# KiCad board jetson-nano-baseboard.kicad_pcb (continued)
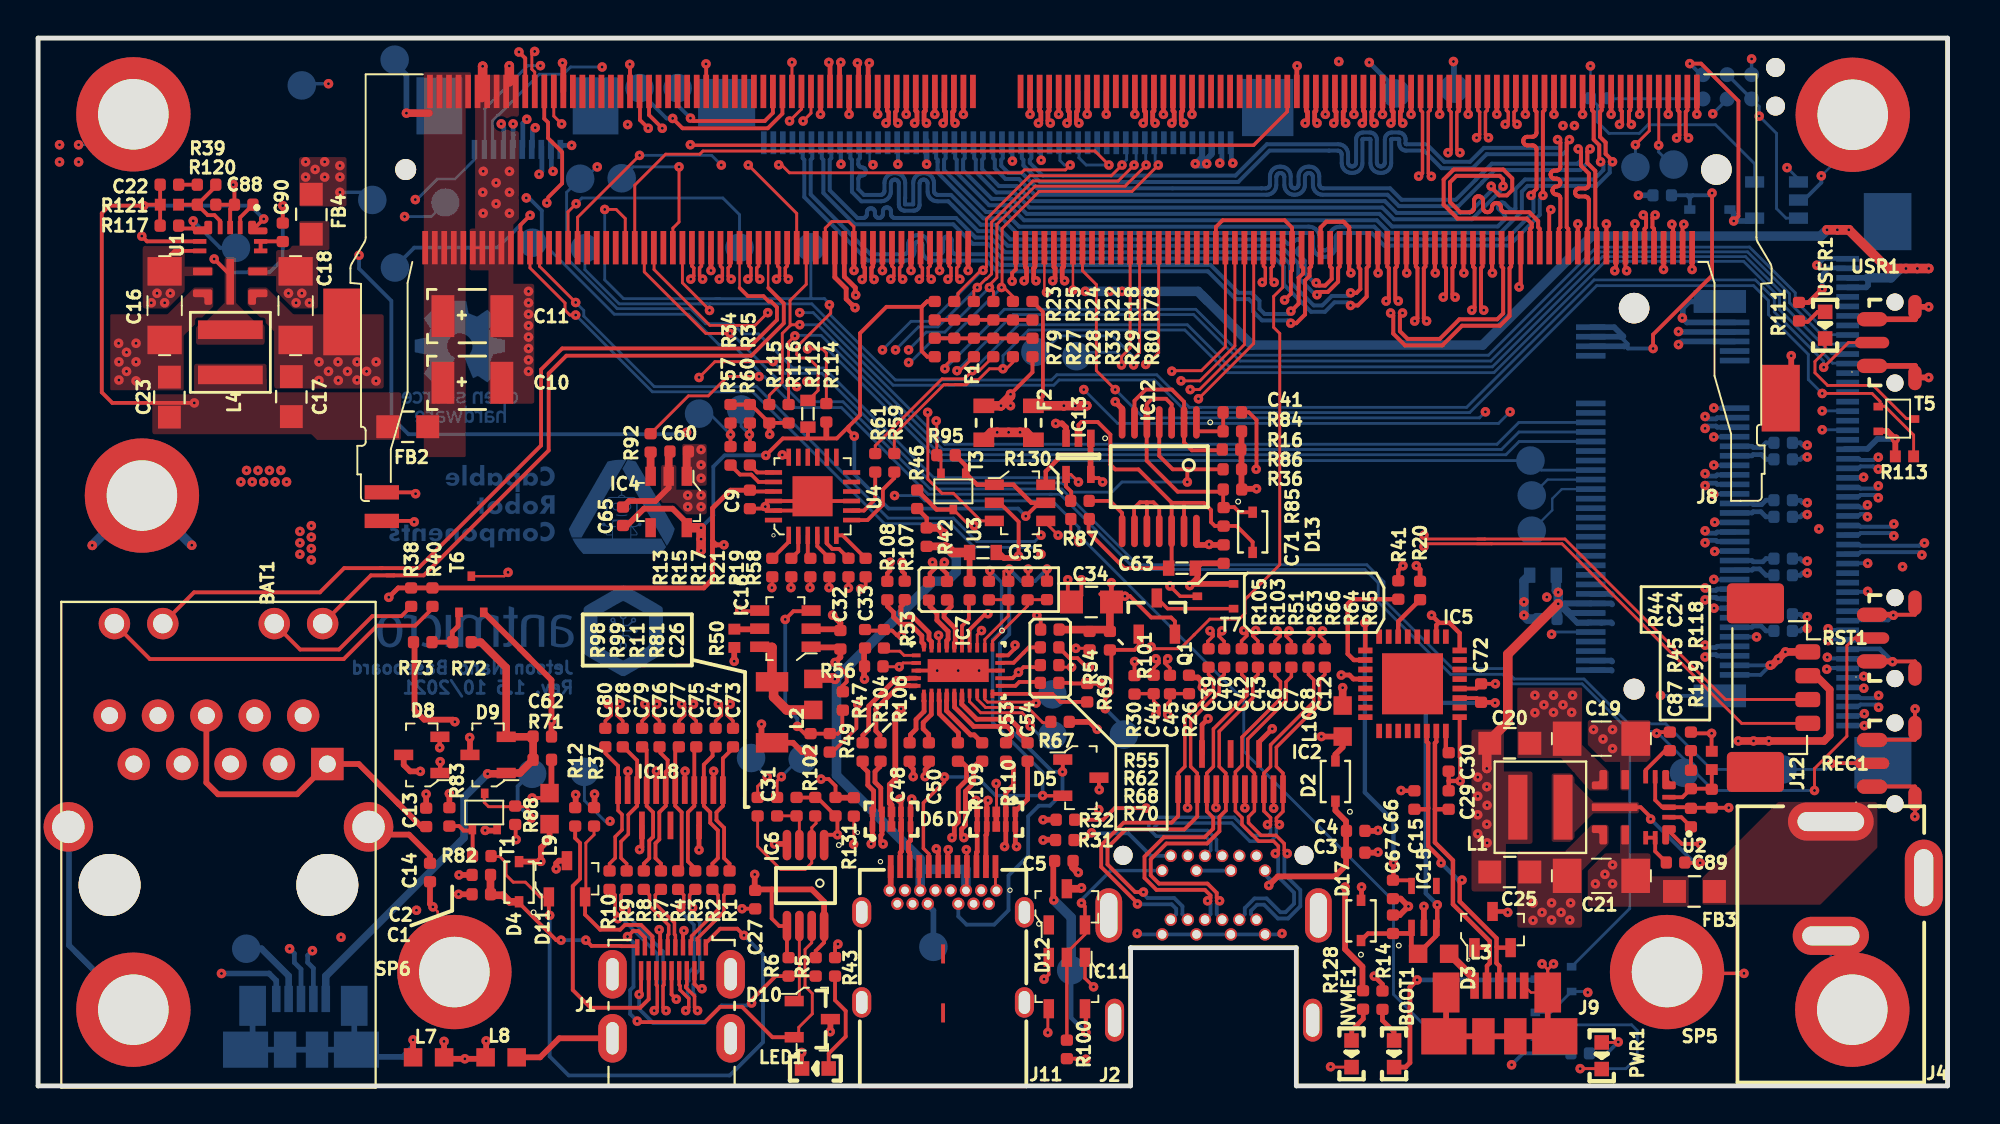
[diagram p0: board, top side]
## Routing (per net, layer and track width the routed paths; a pad name or vN(x,y) marks a point on that pad's centre or on a via; arc(x,y) is an arc through that point) (continued)
ENET_TRD2_N: length 56.1
  Top w0.18: M1.196 36.32,43.03 36.22,42.94 36.22,42.51 v1(36.38,42.35)
  In5_3V3_SYS_SIGNAL.Cu w0.125: v1(36.38,42.35) 36.21,42.18 36.21,40.22 35.78,39.79 30.93,39.79 27.27,36.13 27.27,28.42 27.26,28.35 27.24,28.29 27.21,28.23 27.16,28.19 27.11,28.15 27.04,28.13 26.98,28.12 26.82,28.12 26.8,28.12 26.79,28.11 26.79,28.1 26.79,28.09 26.79,27.9 26.79,27.89 26.8,27.88 26.81,27.87 26.82,27.87 26.98,27.87 27.04,27.87 27.11,27.84 27.16,27.81 27.21,27.76 27.24,27.71 27.26,27.64 27.27,27.58 27.27,26.68 27.28,26.64 27.29,26.61 27.3,26.58 27.33,26.56 27.36,26.54 27.39,26.53 27.42,26.53 27.57,26.53 27.6,26.52 27.63,26.51 27.66,26.49 27.68,26.47 27.7,26.44 27.71,26.41 27.72,26.38 27.71,26.34 27.7,26.31 27.68,26.28 27.66,26.26 27.63,26.24 27.6,26.23 27.57,26.23 27.42,26.23 27.39,26.22 27.36,26.21 27.33,26.19 27.3,26.17 27.29,26.14 27.28,26.11 27.27,26.08 27.28,26.04 27.29,26.01 27.3,25.98 27.33,25.96 27.36,25.94 27.39,25.93 27.42,25.93 27.57,25.93 27.6,25.92 27.63,25.91 27.66,25.89 27.68,25.87 27.7,25.84 27.71,25.81 27.72,25.78 27.71,25.74 27.7,25.71 27.68,25.68 27.66,25.66 27.63,25.64 27.6,25.63 27.57,25.63 27.42,25.63 27.39,25.62 27.36,25.61 27.33,25.59 27.3,25.57 27.29,25.54 27.28,25.51 27.27,25.48 27.27,24.26 24.31,21.31 8.04,21.31 7.98,21.3 7.91,21.28 7.85,21.24 7.81,21.19 7.77,21.14 7.75,21.07 7.74,21.01 7.74,20.61 7.73,20.54 7.71,20.48 7.68,20.42 7.63,20.37 7.57,20.34 7.51,20.31 7.44,20.31 7.38,20.31 7.31,20.34 7.25,20.37 7.21,20.42 7.17,20.48 7.15,20.54 7.14,20.61 7.14,21.01 7.13,21.07 7.11,21.14 7.08,21.19 7.03,21.24 6.97,21.28 6.91,21.3 6.84,21.31 5.62,21.31 5.17,20.85 5.17,19.64 5.38,19.44 J3.8 ; 6.55,19.26 6.33,19.03
ENET_TRD2_P: length 55.8
  Top w0.18: M1.198 35.82,43.03 35.92,42.94 35.92,42.51 v1(35.76,42.35)
  In5_3V3_SYS_SIGNAL.Cu w0.125: v1(35.76,42.35) 35.93,42.18 35.93,40.34 35.66,40.08 30.82,40.08 26.99,36.25 26.99,28.44 26.98,28.42 26.98,28.41 26.97,28.41 26.96,28.41 26.8,28.41 26.73,28.4 26.67,28.38 26.61,28.34 26.57,28.3 26.53,28.24 26.51,28.18 26.5,28.11 26.5,27.88 26.51,27.82 26.53,27.75 26.57,27.7 26.61,27.65 26.67,27.62 26.73,27.6 26.8,27.59 26.96,27.59 26.97,27.58 26.98,27.58 26.99,27.57 26.99,27.56 26.99,24.38 24.2,21.59 5.55,21.59 4.92,20.96 4.92,19.54 5.25,19.2 5.25,18.94 5.79,18.4 5.8,18.4 7.3,16.9 J3.7
ENET_TRD3_N: length 56.2
  Top w0.18: v1(34.88,42.35) 34.72,42.51 34.72,42.94 34.82,43.03 M1.202
  In5_3V3_SYS_SIGNAL.Cu w0.125: 3.78,19.03 3.78,19.33 ; v1(34.88,42.35) 34.71,42.18 34.71,41.1 34.45,40.84 30.29,40.84 25.71,36.26 25.71,24.48 25.12,23.89 25.1,23.86 25.08,23.83 25.07,23.79 25.07,23.75 25.08,23.71 25.1,23.68 25.12,23.65 25.13,23.64 25.16,23.61 25.17,23.57 25.18,23.53 25.18,23.49 25.17,23.46 25.16,23.42 25.13,23.39 25.1,23.37 25.07,23.35 25.03,23.34 24.99,23.34 24.95,23.35 24.92,23.37 24.89,23.39 24.88,23.4 24.85,23.42 24.81,23.44 24.77,23.45 24.73,23.45 24.7,23.44 24.66,23.42 24.63,23.4 24.6,23.37 24.59,23.33 24.58,23.29 24.58,23.25 24.59,23.22 24.6,23.18 24.63,23.15 24.64,23.14 24.66,23.11 24.68,23.08 24.69,23.04 24.69,23 24.68,22.96 24.66,22.93 24.64,22.89 24.61,22.87 24.57,22.85 24.53,22.84 24.49,22.84 24.46,22.85 24.42,22.87 24.39,22.89 24.38,22.9 24.35,22.93 24.32,22.94 24.28,22.95 24.24,22.95 24.2,22.94 24.16,22.93 24.13,22.9 24.11,22.87 24.09,22.84 24.08,22.8 24.08,22.76 24.09,22.72 24.11,22.69 24.13,22.66 24.14,22.65 24.17,22.62 24.18,22.58 24.19,22.54 24.19,22.5 24.18,22.47 24.17,22.43 24.14,22.4 24.11,22.38 24.08,22.36 24.04,22.35 24,22.35 23.96,22.36 23.93,22.38 23.9,22.4 23.89,22.41 23.86,22.43 23.82,22.45 23.78,22.46 23.74,22.46 23.71,22.45 23.67,22.43 23.64,22.41 23.41,22.18 4.7,22.18 4.63,22.18 4.57,22.15 4.51,22.12 4.46,22.07 4.43,22.01 4.4,21.95 4.4,21.88 4.4,21.48 4.39,21.42 4.37,21.35 4.33,21.3 4.28,21.25 4.23,21.21 4.16,21.19 4.1,21.18 4.03,21.19 3.97,21.21 3.91,21.25 3.86,21.3 3.83,21.35 3.8,21.42 3.8,21.48 3.8,21.88 3.79,21.95 3.77,22.01 3.73,22.07 3.68,22.12 3.63,22.15 3.56,22.18 3.5,22.18 2.67,21.35 2.67,19.6 2.84,19.44 J3.10
ENET_TRD3_P: length 56.5
  Top w0.18: M1.204 34.32,43.03 34.42,42.94 34.42,42.51 v1(34.26,42.35)
  In5_3V3_SYS_SIGNAL.Cu w0.125: v1(34.26,42.35) 34.43,42.18 34.43,41.22 34.33,41.13 30.17,41.13 25.42,36.37 25.42,24.59 23.3,22.47 3.43,22.47 2.42,21.46 2.42,19.5 2.71,19.2 2.71,18.94 3.25,18.4 3.25,18.39 4.75,16.9 J3.9 ; J3.9 4.55,16.9 ; J3.9 4.8,16.9
FAN_PWM: length 51.1
  Top w0.15: v1(28.24,46.31) 27.82,45.88 M1.230 ; U3.3 49.49,29.66 48.04,31.11 47.44,31.11 46.7,31.85 46.7,35.35 v1(46.69,35.36)
  In2_SINGAL.Cu w0.15: v1(28.24,46.31) 28.24,42.61 30.94,39.91 30.94,38.71 36.04,33.61 39.14,33.61 40.35,34.82 v1(40.35,36.98)
  In5_3V3_SYS_SIGNAL.Cu w0.15: v1(40.35,36.98) 45.07,36.98 v1(46.69,35.36)
  Bottom w0.15: v1(28.24,46.31) 28.54,46.61 35.94,46.61 36.82,45.73 TP13.1
FAN_TACH: length 34.1
  Top w0.15: v1(47.14,34.91) 47.17,34.88 R95.2 47.39,32.89 T3.2 ; v1(33.64,48.24) 33.64,45.35 33.32,45.03 M1.208
  In2_SINGAL.Cu w0.15: v1(39.82,36.71) 39.14,36.71 37.94,37.91 37.24,37.91 33.64,41.51 v1(33.64,48.24)
  In5_3V3_SYS_SIGNAL.Cu w0.15: v1(39.82,36.71) 40.07,36.46 44.96,36.46 46.51,34.91 v1(47.14,34.91)
  Bottom w0.15: 31.26,47.64 TP14.1 31.23,48.24 v1(33.64,48.24)
GEN0_SCL: length 75.1
  Top w0.2: 39.07,52.2 39.07,51.03 38.3,50.27 33.82,50.27 v1(33.31,50.78)
  In2_SINGAL.Cu w0.15: v1(80.64,50.41) 80.64,51.2 81.15,51.71 87.22,51.71 v1(87.9,51.03) 90.73,48.2 v1(91.8,48.2)
  In3_SIGNAL.Cu w0.15: v1(33.31,50.78) 34.93,52.41 80.04,52.41 80.64,51.81 v1(80.64,50.41)
  Bottom w0.15: v1(91.8,48.2) 92.4,47.6 IC17.1
  Bottom w0.18: TP30.4 88.66,51.78 v1(87.9,51.03)
  Bottom w0.2: v1(33.31,50.78) 32.99,50.78 31.57,52.2
GEN0_SDA: length 76.9
  Top w0.2: v1(34.24,50.8) 34.39,50.65 38.14,50.65 38.57,51.07 38.57,52.2
  In2_SINGAL.Cu w0.15: v1(90.34,50.91) 89.04,52.21 81.09,52.21 80.04,51.15 v1(80.04,50.41)
  In3_SIGNAL.Cu w0.15: v1(34.24,50.8) 34.24,51.21 35.14,52.11 79.64,52.11 79.99,51.76 79.99,50.46 v1(80.04,50.41)
  Bottom w0.15: IC17.3 91.75,45.55 91.25,46.05 91.25,50 v1(90.34,50.91) 90.34,51.41 TP30.6
  Bottom w0.18: TP30.6 88.67,53.08 TP30.3
  Bottom w0.2: 33.57,52.2 33.57,51.47 v1(34.24,50.8)
HDMI_PWR: length 30.2
  Top w0.2: 41.26,8.39 41.26,7.53 40.81,7.09 40.81,6.73 ; 39.39,6.73 39.31,6.81 IC6.5 38.9,8.39 38.5,8.79 38.5,10.31
  Top w0.25: IC18.13 31.69,12.53 v1(31.57,12.41) ; v1(34.69,12.39) 34.69,13.67 IC18.15
  Top w0.3: 41.26,8.39 41.26,9.67 40.61,10.31 37.69,10.31 37.64,10.26 37.61,10.28 v1(37.61,11.1) ; D4.A 26.38,11.77 v1(26.39,11.79) 26.39,12.5 26.84,12.95 L9.2 ; 26.9,13.56 27.07,13.74
  In2_SINGAL.Cu w0.3: v1(37.61,11.1) 36.34,12.37 26.97,12.37 v1(26.39,11.79)
HDMI_SHIELD: length 10.1
  Top w0.2: J1.7 33.85,8.1 v1(33.9,8.15) ; J1.13 32.65,8.15 v1(32.6,8.2) ; v1(33.5,4.55) 33.25,4.8 J1.10 ; v1(34.85,5.1) 34.7,5.1 34.45,5.35 J1.4
  Top w0.3: J1.SH 27.35,2.5 26.35,1.5 L8.2
M2_ALERT: length 59.4
  Top w0.15: R114.1 41.37,38.47 41.16,38.68 v1(40.38,38.68) ; M1.212 32.33,43.99 32.33,42.85 35.26,39.92 37.6,39.92 37.62,39.91 v1(38.3,40.59)
  In2_SINGAL.Cu w0.15: v1(40.38,38.68) 39.55,38.68 38.3,39.93 v1(38.3,40.59)
  Bottom w0.15: J8.44 78.9,32.32 78.4,32.82 47.28,32.82 41.42,38.68 v1(40.38,38.68)
OTG_USB_D_N: length 88.8
  Top w0.23: v1(21.1,17.02) 21.1,16.44 D8.1
  Top w0.25: v1(60.13,50.54) 60.01,50.66 60.01,51.12 60.07,51.19 60.07,52.2
  In3_SIGNAL.Cu w0.16: 20.96,17.02 21.18,17.24 26.28,17.24 27.77,18.73 27.77,27.76 29.88,29.87 29.88,43.83 33.57,47.53 59.35,47.53 59.96,48.14 59.96,50.37 v1(60.13,50.54) ; v1(14.4,7.1) 13.89,7.61 13.89,8.06 12.98,8.97 12.98,11.95 18.29,17.26 20.87,17.26 v1(21.1,17.02)
  Bottom w0.25: J5.2 14.45,6.18 14.15,6.48 14.15,6.85 v1(14.4,7.1)
OTG_USB_D_P: length 88.7
  Top w0.23: D8.2 21.08,18.31 v1(21.08,17.75)
  Top w0.25: v1(59.51,50.54) 59.63,50.66 59.63,51.12 59.57,51.19 59.57,52.2
  In3_SIGNAL.Cu w0.16: 21,17.83 v1(21.08,17.75) ; v1(21.08,17.75) 21.31,17.53 26.16,17.53 27.48,18.85 27.48,27.88 29.59,29.99 29.59,43.95 33.45,47.81 59.23,47.81 59.68,48.26 59.68,50.37 v1(59.51,50.54) ; v1(21.08,17.75) 20.87,17.54 18.18,17.54 12.7,12.07 12.7,8.85 13.61,7.94 13.61,7.61 v1(13.2,7.2)
  Bottom w0.25: v1(13.2,7.2) 13.45,6.95 13.45,6.48 13.8,6.13 J5.3
OTG_USB_VBUS: length 62.3
  Top w0.125: v1(24.67,26.96) 24.47,26.76 T6.3
  Top w0.18: v1(34.24,49.4) 34.26,49.38 63.8,49.38 65.57,51.14 65.57,52.2
  In3_SIGNAL.Cu w0.18: 24.64,26.85 25.7,26.85 29,30.15 29,44.24 34.16,49.4 v1(34.24,49.4)
PCIE0_CLK_N: length 66
  Top w0.18: v1(45.38,42.34) 45.22,42.5 45.22,42.94 45.32,43.03 M1.160
  In3_SIGNAL.Cu w0.185: v1(87.5,34.51) 87.34,34.67 86.95,34.67 86.91,34.67 86.87,34.65 86.83,34.63 86.8,34.6 86.78,34.57 86.77,34.53 86.76,34.48 86.76,34.44 86.76,34.4 86.74,34.36 86.72,34.32 86.69,34.29 86.66,34.27 86.62,34.26 86.58,34.25 86.54,34.26 86.5,34.27 86.46,34.29 86.43,34.32 86.41,34.36 86.4,34.4 86.39,34.44 86.39,34.48 86.39,34.53 86.37,34.57 86.35,34.6 86.32,34.63 86.29,34.65 86.25,34.67 86.21,34.67 85.34,34.67 81.23,38.77 79.55,38.77 79.45,38.78 79.37,38.81 79.29,38.86 79.23,38.93 79.18,39 79.15,39.09 79.14,39.18 79.14,39.36 79.13,39.39 79.13,39.41 79.11,39.44 79.09,39.45 79.07,39.47 79.05,39.48 79.02,39.48 78.89,39.48 78.86,39.48 78.83,39.47 78.81,39.45 78.79,39.44 78.78,39.41 78.77,39.39 78.77,39.36 78.77,38.47 78.76,38.38 78.73,38.29 78.68,38.22 78.61,38.15 78.54,38.1 78.45,38.07 78.36,38.06 78.17,38.06 78.08,38.07 78,38.1 77.92,38.15 77.86,38.22 77.81,38.29 77.78,38.38 77.77,38.47 77.77,39.36 77.76,39.39 77.76,39.41 77.74,39.44 77.72,39.45 77.7,39.47 77.68,39.48 77.65,39.48 77.51,39.48 77.49,39.48 77.46,39.47 77.44,39.45 77.42,39.44 77.41,39.41 77.4,39.39 77.4,39.36 77.4,38.47 77.39,38.38 77.36,38.29 77.31,38.22 77.24,38.15 77.17,38.1 77.08,38.07 76.99,38.06 76.8,38.06 76.71,38.07 76.63,38.1 76.55,38.15 76.48,38.22 76.44,38.29 76.41,38.38 76.4,38.47 76.4,39.36 76.39,39.39 76.38,39.41 76.37,39.44 76.35,39.45 76.33,39.47 76.3,39.48 76.28,39.48 76.14,39.48 76.12,39.48 76.09,39.47 76.07,39.45 76.05,39.44 76.04,39.41 76.03,39.39 76.03,39.36 76.03,38.47 76.02,38.38 75.99,38.29 75.94,38.22 75.87,38.15 75.79,38.1 75.71,38.07 75.62,38.06 75.43,38.06 75.34,38.07 75.26,38.1 75.18,38.15 75.11,38.22 75.06,38.29 75.03,38.38 75.02,38.47 75.02,39.36 75.02,39.39 75.01,39.41 75,39.44 74.98,39.45 74.96,39.47 74.93,39.48 74.91,39.48 74.77,39.48 74.75,39.48 74.72,39.47 74.7,39.45 74.68,39.44 74.67,39.41 74.66,39.39 74.65,39.36 74.65,38.47 74.64,38.38 74.61,38.29 74.57,38.22 74.5,38.15 74.42,38.1 74.34,38.07 74.25,38.06 74.06,38.06 73.97,38.07 73.88,38.1 73.81,38.15 73.74,38.22 73.69,38.29 73.66,38.38 73.65,38.47 73.65,39.36 73.65,39.39 73.64,39.41 73.63,39.44 73.61,39.45 73.59,39.47 73.56,39.48 73.54,39.48 73.4,39.48 73.37,39.48 73.35,39.47 73.33,39.45 73.31,39.44 73.3,39.41 73.29,39.39 73.28,39.36 73.28,38.47 73.27,38.38 73.24,38.29 73.19,38.22 73.13,38.15 73.05,38.1 72.97,38.07 72.88,38.06 72.69,38.06 72.6,38.07 72.51,38.1 72.44,38.15 72.37,38.22 72.32,38.29 72.29,38.38 72.28,38.47 72.28,39.31 72.28,39.33 72.28,39.34 72.27,39.35 72.26,39.36 72.24,39.37 72.23,39.38 72.22,39.38 71.98,39.38 71.96,39.38 71.95,39.37 71.94,39.36 71.93,39.35 71.92,39.34 71.91,39.33 71.91,39.31 71.91,38.47 71.9,38.38 71.87,38.29 71.82,38.22 71.76,38.15 71.68,38.1 71.6,38.07 71.5,38.06 71.32,38.06 71.23,38.07 71.14,38.1 71.06,38.15 71,38.22 70.95,38.29 70.92,38.38 70.91,38.47 70.91,39.36 70.91,39.39 70.9,39.41 70.89,39.44 70.87,39.45 70.84,39.47 70.82,39.48 70.79,39.48 70.66,39.48 70.63,39.48 70.61,39.47 70.59,39.45 70.57,39.44 70.55,39.41 70.54,39.39 70.54,39.36 70.54,39.18 70.53,39.09 70.5,39 70.45,38.93 70.39,38.86 70.31,38.81 70.22,38.78 70.13,38.77 64.39,38.77 59.5,43.65 45.94,43.65 45.22,42.94 45.22,42.5 v1(45.38,42.34)
  Bottom w0.25: v1(87.5,34.51) 87.62,34.64 88.07,34.64 88.13,34.57 J8.53
PCIE0_CLK_P: length 66
  Top w0.18: v1(44.76,42.34) 44.92,42.5 44.92,42.94 44.82,43.03 M1.162
  In3_SIGNAL.Cu w0.185: v1(44.76,42.34) 44.91,42.5 44.91,43.06 45.81,43.96 59.63,43.96 64.51,39.09 70.11,39.09 70.13,39.09 70.16,39.1 70.18,39.11 70.2,39.13 70.21,39.15 70.22,39.18 70.23,39.2 70.23,39.39 70.24,39.48 70.27,39.56 70.31,39.64 70.38,39.71 70.46,39.75 70.54,39.78 70.63,39.79 70.82,39.79 70.91,39.78 71,39.75 71.07,39.71 71.14,39.64 71.19,39.56 71.22,39.48 71.23,39.39 71.23,38.5 71.23,38.47 71.24,38.45 71.25,38.42 71.27,38.4 71.29,38.39 71.32,38.38 71.34,38.38 71.48,38.38 71.51,38.38 71.53,38.39 71.55,38.4 71.57,38.42 71.59,38.45 71.59,38.47 71.6,38.5 71.6,39.33 71.61,39.41 71.63,39.49 71.68,39.56 71.73,39.62 71.8,39.66 71.88,39.69 71.96,39.69 72.24,39.69 72.32,39.69 72.39,39.66 72.46,39.62 72.52,39.56 72.56,39.49 72.59,39.41 72.6,39.33 72.6,38.5 72.6,38.47 72.61,38.45 72.62,38.42 72.64,38.4 72.66,38.39 72.69,38.38 72.72,38.38 72.85,38.38 72.88,38.38 72.9,38.39 72.92,38.4 72.94,38.42 72.96,38.45 72.96,38.47 72.97,38.5 72.97,39.39 72.98,39.48 73.01,39.56 73.06,39.64 73.12,39.71 73.2,39.75 73.28,39.78 73.38,39.79 73.56,39.79 73.65,39.78 73.74,39.75 73.82,39.71 73.88,39.64 73.93,39.56 73.96,39.48 73.97,39.39 73.97,38.5 73.97,38.47 73.98,38.45 73.99,38.42 74.01,38.4 74.04,38.39 74.06,38.38 74.09,38.38 74.22,38.38 74.25,38.38 74.27,38.39 74.29,38.4 74.31,38.42 74.33,38.45 74.34,38.47 74.34,38.5 74.34,39.39 74.35,39.48 74.38,39.56 74.43,39.64 74.49,39.71 74.57,39.75 74.66,39.78 74.75,39.79 74.93,39.79 75.02,39.78 75.11,39.75 75.19,39.71 75.25,39.64 75.3,39.56 75.33,39.48 75.34,39.39 75.34,38.5 75.34,38.47 75.35,38.45 75.37,38.42 75.38,38.4 75.41,38.39 75.43,38.38 75.46,38.38 75.59,38.38 75.62,38.38 75.64,38.39 75.67,38.4 75.68,38.42 75.7,38.45 75.71,38.47 75.71,38.5 75.71,39.39 75.72,39.48 75.75,39.56 75.8,39.64 75.86,39.71 75.94,39.75 76.03,39.78 76.12,39.79 76.3,39.79 76.39,39.78 76.48,39.75 76.56,39.71 76.62,39.64 76.67,39.56 76.7,39.48 76.71,39.39 76.71,38.5 76.71,38.47 76.72,38.45 76.74,38.42 76.76,38.4 76.78,38.39 76.8,38.38 76.83,38.38 76.96,38.38 76.99,38.38 77.01,38.39 77.04,38.4 77.06,38.42 77.07,38.45 77.08,38.47 77.08,38.5 77.08,39.39 77.09,39.48 77.12,39.56 77.17,39.64 77.23,39.71 77.31,39.75 77.4,39.78 77.49,39.79 77.67,39.79 77.77,39.78 77.85,39.75 77.93,39.71 77.99,39.64 78.04,39.56 78.07,39.48 78.08,39.39 78.08,38.5 78.09,38.47 78.09,38.45 78.11,38.42 78.13,38.4 78.15,38.39 78.17,38.38 78.2,38.38 78.34,38.38 78.36,38.38 78.39,38.39 78.41,38.4 78.43,38.42 78.44,38.45 78.45,38.47 78.45,38.5 78.45,39.39 78.46,39.48 78.49,39.56 78.54,39.64 78.61,39.71 78.68,39.75 78.77,39.78 78.86,39.79 79.05,39.79 79.14,39.78 79.22,39.75 79.3,39.71 79.36,39.64 79.41,39.56 79.44,39.48 79.45,39.39 79.45,39.2 79.46,39.18 79.46,39.15 79.48,39.13 79.5,39.11 79.52,39.1 79.54,39.09 79.57,39.09 81.36,39.09 85.46,34.98 87.34,34.98 v1(87.5,35.14)
  Bottom w0.25: v1(87.5,35.14) 87.62,35.01 88.07,35.01 88.13,35.07 J8.55
PCIE0_RX0_N: length 66
  Top w0.25: M1.131 54.57,51.19 54.51,51.12 54.51,50.66 v1(54.63,50.54)
  In5_3V3_SYS_SIGNAL.Cu w0.195: v1(87.5,31.51) 87.65,31.66 88.94,31.66 89.37,32.09 89.37,32.99 88.89,33.46 86.91,33.46 86.69,33.68 86.69,34.32 82.11,38.9 82.11,42.61 78.67,46.06 72.57,46.06 70.78,47.85 70.64,47.85 70.64,47.85 70.36,47.85 69.27,47.85 69.16,47.84 69.05,47.8 68.96,47.74 68.88,47.67 68.83,47.58 68.79,47.47 68.78,47.36 68.78,46.93 68.77,46.89 68.76,46.85 68.74,46.81 68.71,46.78 68.67,46.76 68.63,46.74 68.58,46.74 68.54,46.74 68.5,46.76 68.46,46.78 68.43,46.81 68.41,46.85 68.39,46.89 68.39,46.93 68.39,48.62 68.38,48.73 68.34,48.84 68.28,48.93 68.2,49.01 68.11,49.06 68.01,49.1 67.9,49.11 67.84,49.11 67.73,49.1 67.63,49.06 67.54,49.01 67.46,48.93 67.4,48.84 67.37,48.73 67.35,48.62 67.35,46.93 67.35,46.89 67.33,46.85 67.31,46.81 67.28,46.78 67.24,46.76 67.2,46.74 67.16,46.74 67.12,46.74 67.07,46.76 67.04,46.78 67.01,46.81 66.98,46.85 66.97,46.89 66.96,46.93 66.96,48.62 66.95,48.73 66.92,48.84 66.86,48.93 66.78,49.01 66.69,49.06 66.58,49.1 66.48,49.11 66.42,49.11 66.31,49.1 66.2,49.06 66.11,49.01 66.04,48.93 65.98,48.84 65.94,48.73 65.93,48.62 65.93,46.93 65.92,46.89 65.91,46.85 65.89,46.81 65.86,46.78 65.82,46.76 65.78,46.74 65.73,46.74 65.69,46.74 65.65,46.76 65.61,46.78 65.58,46.81 65.56,46.85 65.54,46.89 65.54,46.93 65.54,48.62 65.53,48.73 65.49,48.84 65.43,48.93 65.36,49.01 65.26,49.06 65.16,49.1 65.05,49.11 64.99,49.11 64.88,49.1 64.78,49.06 64.69,49.01 64.61,48.93 64.55,48.84 64.52,48.73 64.5,48.62 64.5,46.93 64.5,46.89 64.48,46.85 64.46,46.81 64.43,46.78 64.39,46.76 64.35,46.74 64.31,46.74 64.27,46.74 64.22,46.76 64.19,46.78 64.16,46.81 64.13,46.85 64.12,46.89 64.11,46.93 64.11,47.36 64.1,47.47 64.07,47.58 64.01,47.67 63.93,47.74 63.84,47.8 63.74,47.84 63.63,47.85 55.87,47.85 54.48,49.24 54.48,50.38 v1(54.63,50.54)
  Bottom w0.25: v1(87.5,31.51) 87.62,31.64 88.07,31.64 88.13,31.58 J8.41
PCIE0_RX0_P: length 66
  Top w0.25: v1(54.01,50.54) 54.13,50.66 54.13,51.12 54.07,51.19 M1.133
  In5_3V3_SYS_SIGNAL.Cu w0.195: v1(87.5,32.14) 87.65,31.98 88.81,31.98 89.05,32.23 89.05,32.85 88.76,33.14 86.78,33.14 86.37,33.54 86.37,34.19 85.39,35.17 85.36,35.19 85.32,35.21 85.28,35.22 85.23,35.22 85.19,35.21 85.15,35.19 85.12,35.17 85.09,35.14 85.05,35.11 85.01,35.09 84.97,35.08 84.93,35.08 84.88,35.09 84.84,35.11 84.81,35.14 84.78,35.17 84.76,35.21 84.75,35.25 84.75,35.3 84.76,35.34 84.78,35.38 84.81,35.41 84.84,35.44 84.87,35.48 84.89,35.52 84.9,35.56 84.9,35.6 84.89,35.64 84.87,35.68 84.84,35.72 84.16,36.39 81.79,38.77 81.79,42.48 78.54,45.74 72.44,45.74 70.64,47.53 69.3,47.53 69.25,47.52 69.21,47.51 69.17,47.49 69.14,47.46 69.12,47.42 69.11,47.38 69.1,47.33 69.1,46.9 69.09,46.8 69.05,46.69 68.99,46.6 68.92,46.52 68.82,46.47 68.72,46.43 68.61,46.42 68.55,46.42 68.45,46.43 68.34,46.47 68.25,46.52 68.17,46.6 68.11,46.69 68.08,46.8 68.07,46.9 68.07,48.59 68.06,48.64 68.05,48.68 68.02,48.72 67.99,48.75 67.96,48.77 67.91,48.78 67.87,48.79 67.83,48.78 67.79,48.77 67.75,48.75 67.72,48.72 67.7,48.68 67.68,48.64 67.68,48.59 67.68,46.9 67.66,46.8 67.63,46.69 67.57,46.6 67.49,46.52 67.4,46.47 67.3,46.43 67.19,46.42 67.13,46.42 67.02,46.43 66.92,46.47 66.82,46.52 66.75,46.6 66.69,46.69 66.65,46.8 66.64,46.9 66.64,48.59 66.64,48.64 66.62,48.68 66.6,48.72 66.57,48.75 66.53,48.77 66.49,48.78 66.45,48.79 66.4,48.78 66.36,48.77 66.32,48.75 66.29,48.72 66.27,48.68 66.26,48.64 66.25,48.59 66.25,46.9 66.24,46.8 66.2,46.69 66.14,46.6 66.07,46.52 65.98,46.47 65.87,46.43 65.76,46.42 65.7,46.42 65.6,46.43 65.49,46.47 65.4,46.52 65.32,46.6 65.26,46.69 65.23,46.8 65.22,46.9 65.22,48.59 65.21,48.64 65.2,48.68 65.17,48.72 65.14,48.75 65.11,48.77 65.06,48.78 65.02,48.79 64.98,48.78 64.94,48.77 64.9,48.75 64.87,48.72 64.85,48.68 64.83,48.64 64.83,48.59 64.83,46.9 64.81,46.8 64.78,46.69 64.72,46.6 64.64,46.52 64.55,46.47 64.45,46.43 64.34,46.42 64.28,46.42 64.17,46.43 64.07,46.47 63.98,46.52 63.9,46.6 63.84,46.69 63.8,46.8 63.79,46.9 63.79,47.33 63.79,47.38 63.77,47.42 63.75,47.46 63.72,47.49 63.68,47.51 63.64,47.52 63.6,47.53 55.74,47.53 54.16,49.11 54.16,50.38 v1(54.01,50.54)
  Bottom w0.25: v1(87.5,32.14) 87.62,32.01 88.07,32.01 88.13,32.07 J8.43
PCIE0_RX1_N: length 66
  Top w0.25: M1.137 53.07,51.19 53.01,51.12 53.01,50.66 v1(53.13,50.54)
  In5_3V3_SYS_SIGNAL.Cu w0.195: v1(53.13,50.54) 52.98,50.38 52.98,49.72 53.63,49.06 53.63,47.69 55.23,46.09 55.95,46.09 56.06,46.08 56.16,46.04 56.25,45.98 56.33,45.9 56.39,45.81 56.43,45.71 56.44,45.6 56.44,45.41 56.44,45.37 56.46,45.32 56.48,45.29 56.51,45.26 56.55,45.23 56.59,45.22 56.63,45.21 56.68,45.22 56.72,45.23 56.75,45.26 56.79,45.29 56.81,45.32 56.82,45.37 56.83,45.41 56.83,45.93 56.83,46.62 56.84,46.73 56.88,46.83 56.93,46.93 57.01,47 57.1,47.06 57.21,47.1 57.32,47.11 57.38,47.11 57.48,47.1 57.59,47.06 57.68,47 57.76,46.93 57.81,46.83 57.85,46.73 57.86,46.62 57.86,45.41 57.87,45.37 57.88,45.32 57.91,45.29 57.94,45.26 57.97,45.23 58.01,45.22 58.06,45.21 58.1,45.22 58.14,45.23 58.18,45.26 58.21,45.29 58.23,45.32 58.25,45.37 58.25,45.41 58.25,46.62 58.26,46.73 58.3,46.83 58.36,46.93 58.44,47 58.53,47.06 58.63,47.1 58.74,47.11 58.8,47.11 58.91,47.1 59.01,47.06 59.1,47 59.18,46.93 59.24,46.83 59.28,46.73 59.29,46.62 59.29,45.41 59.29,45.37 59.31,45.32 59.33,45.29 59.36,45.26 59.4,45.23 59.44,45.22 59.48,45.21 59.53,45.22 59.57,45.23 59.6,45.26 59.63,45.29 59.66,45.32 59.67,45.37 59.68,45.41 59.68,46.62 59.69,46.73 59.73,46.83 59.78,46.93 59.86,47 59.95,47.06 60.06,47.1 60.16,47.11 60.22,47.11 60.33,47.1 60.44,47.06 60.53,47 60.61,46.93 60.66,46.83 60.7,46.73 60.71,46.62 60.71,46.28 60.72,46.24 60.73,46.2 60.75,46.16 60.79,46.13 60.82,46.11 60.86,46.09 60.91,46.09 70.36,46.09 71.13,45.31 78.17,45.31 81.04,42.44 81.04,38.34 85.26,34.12 85.26,30.99 85.84,30.42 88.8,30.42 89.31,29.91 89.31,29.1 88.88,28.67 87.65,28.66 v1(87.5,28.51)
  Bottom w0.25: v1(87.5,28.51) 87.62,28.64 88.07,28.64 88.13,28.58 J8.29
PCIE0_RX1_P: length 66
  Top w0.25: v1(52.51,50.54) 52.63,50.66 52.63,51.12 52.57,51.19 52.57,52.2
  In5_3V3_SYS_SIGNAL.Cu w0.195: v1(52.51,50.54) 52.66,50.38 52.66,49.58 53.31,48.92 53.31,47.55 55.1,45.76 55.92,45.76 55.96,45.76 56,45.75 56.04,45.72 56.07,45.69 56.1,45.65 56.11,45.61 56.12,45.57 56.12,45.38 56.13,45.27 56.16,45.17 56.22,45.08 56.3,45 56.39,44.94 56.49,44.9 56.6,44.89 56.66,44.89 56.77,44.9 56.87,44.94 56.97,45 57.04,45.08 57.1,45.17 57.14,45.27 57.15,45.38 57.15,45.93 57.15,46.59 57.16,46.64 57.17,46.68 57.19,46.71 57.22,46.75 57.26,46.77 57.3,46.78 57.35,46.79 57.39,46.78 57.43,46.77 57.47,46.75 57.5,46.71 57.52,46.68 57.54,46.64 57.54,46.59 57.54,45.38 57.55,45.27 57.59,45.17 57.65,45.08 57.72,45 57.82,44.94 57.92,44.9 58.03,44.89 58.09,44.89 58.2,44.9 58.3,44.94 58.39,45 58.47,45.08 58.53,45.17 58.56,45.27 58.58,45.38 58.58,46.59 58.58,46.64 58.59,46.68 58.62,46.71 58.65,46.75 58.69,46.77 58.73,46.78 58.77,46.79 58.81,46.78 58.85,46.77 58.89,46.75 58.92,46.71 58.95,46.68 58.96,46.64 58.97,46.59 58.97,45.38 58.98,45.27 59.01,45.17 59.07,45.08 59.15,45 59.24,44.94 59.34,44.9 59.45,44.89 59.51,44.89 59.62,44.9 59.72,44.94 59.82,45 59.89,45.08 59.95,45.17 59.99,45.27 60,45.38 60,46.59 60,46.64 60.02,46.68 60.04,46.71 60.07,46.75 60.11,46.77 60.15,46.78 60.19,46.79 60.24,46.78 60.28,46.77 60.32,46.75 60.35,46.71 60.37,46.68 60.38,46.64 60.39,46.59 60.39,46.25 60.4,46.14 60.44,46.04 60.5,45.95 60.57,45.87 60.67,45.81 60.77,45.78 60.88,45.76 70.23,45.76 71,44.99 78.04,44.99 80.72,42.31 80.72,38.21 84.94,33.99 84.94,30.86 85.7,30.1 86.29,30.1 86.34,30.09 86.39,30.07 86.43,30.05 86.47,30.01 86.5,29.97 86.51,29.92 86.52,29.87 86.52,29.85 86.52,29.8 86.54,29.75 86.57,29.71 86.6,29.68 86.65,29.65 86.69,29.63 86.74,29.63 86.79,29.63 86.84,29.65 86.88,29.68 86.92,29.71 86.95,29.75 86.96,29.8 86.97,29.85 86.97,29.87 86.97,29.92 86.99,29.97 87.02,30.01 87.05,30.05 87.1,30.07 87.14,30.09 87.19,30.1 88.67,30.1 88.99,29.78 88.99,29.27 88.71,28.99 87.65,28.99 v1(87.5,29.14)
  Bottom w0.25: v1(87.5,29.14) 87.62,29.01 88.07,29.01 88.13,29.08 J8.31
PCIE0_RX2_N: length 66
  Top w0.25: M1.149 48.07,51.19 48.01,51.12 48.01,50.66 v1(48.13,50.54)
  In5_3V3_SYS_SIGNAL.Cu w0.185: 83.84,30.1 86.47,27.48 ; 53.67,44.47 61.2,44.47 61.24,44.47 61.28,44.49 61.32,44.51 61.35,44.54 61.37,44.57 61.39,44.61 61.39,44.66 61.39,44.87 61.4,44.98 61.44,45.08 61.5,45.17 61.57,45.24 61.66,45.3 61.76,45.34 61.87,45.35 61.93,45.35 62.04,45.34 62.14,45.3 62.23,45.24 62.31,45.17 62.36,45.08 62.4,44.98 62.41,44.87 62.41,44.66 62.42,44.61 62.43,44.57 62.45,44.54 62.48,44.51 62.52,44.49 62.56,44.47 62.6,44.47 62.64,44.47 62.68,44.49 62.72,44.51 62.75,44.54 62.77,44.57 62.79,44.61 62.79,44.66 62.79,44.87 62.8,44.98 62.84,45.08 62.9,45.17 62.97,45.24 63.06,45.3 63.16,45.34 63.27,45.35 63.33,45.35 63.44,45.34 63.54,45.3 63.63,45.24 63.71,45.17 63.76,45.08 63.8,44.98 63.81,44.87 63.81,44.66 63.82,44.61 63.83,44.57 63.85,44.54 63.88,44.51 63.92,44.49 63.96,44.47 64,44.47 64.04,44.47 64.08,44.49 64.12,44.51 64.15,44.54 64.17,44.57 64.19,44.61 64.19,44.66 64.19,44.87 64.2,44.98 64.24,45.08 64.3,45.17 64.37,45.24 64.46,45.3 64.56,45.34 64.67,45.35 64.73,45.35 64.84,45.34 64.94,45.3 65.03,45.24 65.11,45.17 65.16,45.08 65.2,44.98 65.21,44.87 65.21,44.66 65.22,44.61 65.23,44.57 65.25,44.54 65.28,44.51 65.32,44.49 65.36,44.47 65.4,44.47 77.8,44.47
  In5_3V3_SYS_SIGNAL.Cu w0.195: v1(87.5,25.51) 87.65,25.66 88.83,25.66 89.19,26.02 89.19,27.15 88.86,27.48 86.47,27.48 ; 53.67,44.47 47.98,50.16 47.98,50.38 v1(48.13,50.54) ; 77.8,44.47 79.95,42.32 79.95,37.96 83.84,34.06 83.84,30.1
  Bottom w0.25: v1(87.5,25.51) 87.62,25.64 88.07,25.64 88.13,25.57 J8.17
